# KiCad board A64-OlinuXino_Rev_G.kicad_pcb (continued)
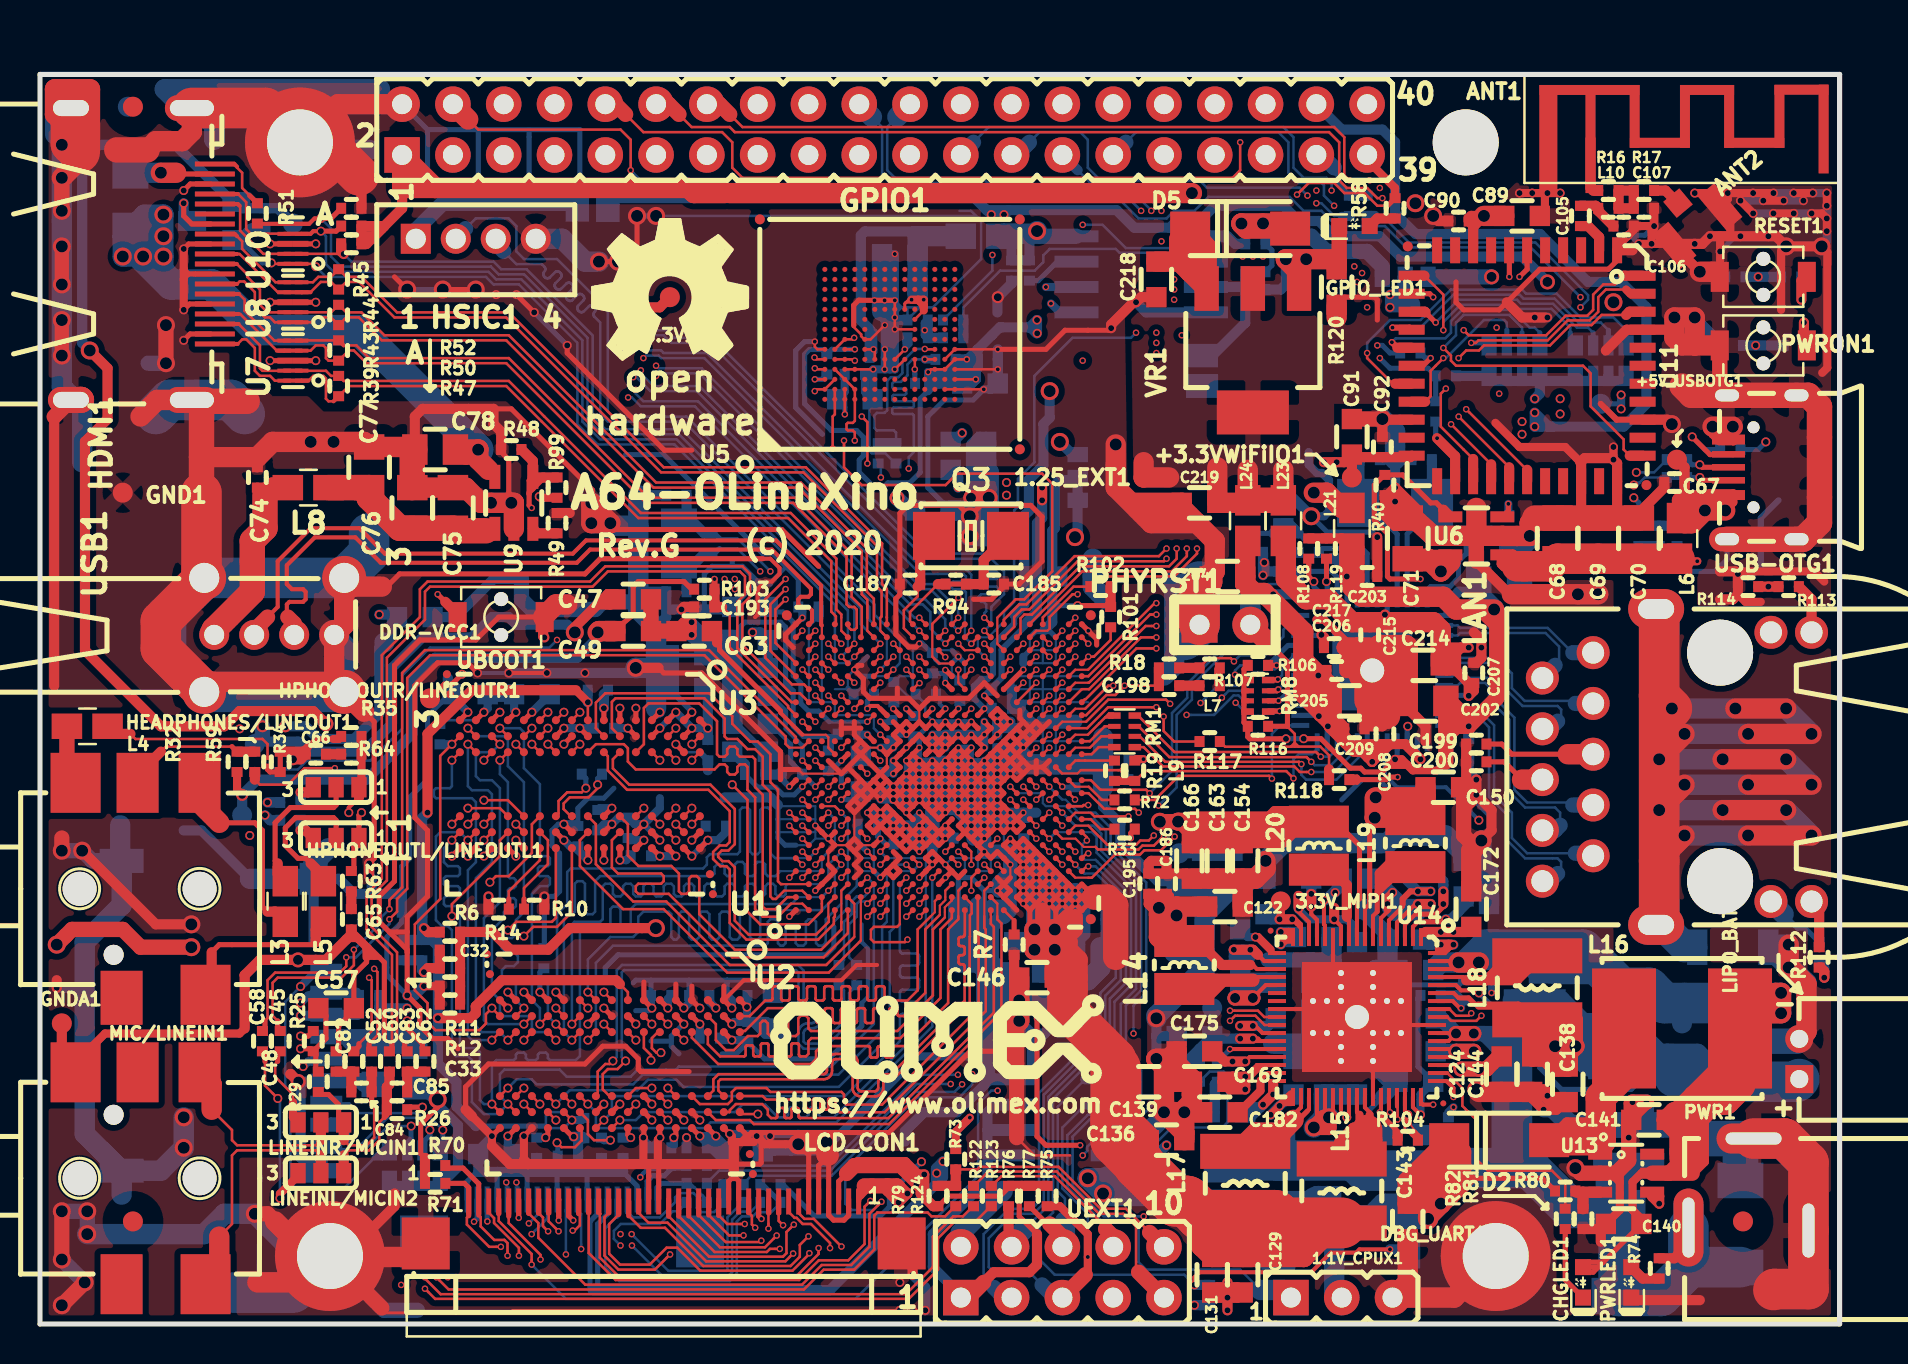
[diagram p0: board, top side]
## Routing (per net, layer and track width the routed paths; a pad name or vN(x,y) marks a point on that pad's centre or on a via; arc(x,y) is an arc through that point) (continued)
+3.3VD: length 183.2
  Top w0.203: 62.56,19.61 62.66,19.51 U14.17
  Top w0.254: U1.M16 v4(45.28,30.78)
  Top w0.406: 62.56,19.61 v3(62.05,19.61) v3(62.05,18.99) 62.29,19.23 62.56,19.23
  Top w0.508: v1(14.3,30.02) 13.67,30.66 9.98,30.66 9.22,29.9 6.05,29.9 2.25,33.69 2.25,44.13 3.38,45.26 3.38,47.8 v2(2.49,48.69)
  In3.Cu w0.508: v1(14.3,30.02) 13.79,29.52 13.79,26.34 11.82,24.37 11.82,12.18 12.52,11.48 12.52,10.4 13.94,8.99 16.96,8.99 21.55,4.4 23.8,4.4 24.4,3.8 25.22,3.8 26.06,2.96 40.82,2.96 44.82,6.96 48.26,6.96 53.67,12.37 57.86,12.37 58.88,13.39 58.88,16.56 59.51,17.2 60.26,17.2 v3(62.05,18.99) v3(62.05,19.61)
  In4.Cu w0.107: 40.4,31.75 39.22,31.75 39.1,31.62 39.1,31.1 40.4,31.1 40.4,30.58 40.28,30.45 39.1,30.45
  In4.Cu w0.203: 39.1,30.45 38.78,30.78
  In4.Cu w0.254: 40.4,31.75 40.72,31.42 ; 40.72,31.42 40.72,31.43 ; 40.72,31.42 44.62,31.42 v4(45.28,30.78) ; 40.72,31.42 40.4,31.1 ; 39.1,31.1 38.78,30.78
  In4.Cu w0.406: 38.78,30.78 38.45,30.78 38.4,30.83
  In4.Cu w0.508: 38.4,30.83 37.5,30.83 33.35,34.98 33.35,35.48 32.46,36.37 25.09,36.37 24.08,35.36 22.68,35.36 21.41,34.09 18.49,34.09 17.22,32.82 17.22,31.17 16.08,30.02 v1(14.3,30.02)
  Bottom w0.203: C79.2 45,31.31 45,31 45.22,30.78 v4(45.28,30.78)
  Bottom w0.406: C161.2 62.56,19.61
  Bottom w0.508: 62.56,19.61 v3(62.05,19.61) v3(62.05,18.99) 62.42,19.36 C161.2 ; v2(2.49,48.69) 2.11,49.07 2.11,58.34 2.74,58.98 6.76,58.98 9.62,56.12 FET1.1 10.13,55.8 R46.1 11.89,55.8 +3.3VD1.1
+3.3VWiFiIO: length 103.1
  Top w0.203: U14.13 64.26,19.94 64.21,19.99 v3(64.21,21.2)
  Top w0.254: U1.T17 v4(47.22,31.42)
  Top w0.508: v3(64.21,43.1) 65.23,43.1 C91.2 ; U11.22 68.52,43.36 C92.2 65.74,43.36 C91.2 ; +3.3VWiFiIO1.1 C91.2 ; v3(50.11,41.2) v3(50.11,41.83)
  In2.Cu w0.508: v3(64.77,21.58) 64.59,21.58 v3(64.21,21.2) ; 50.81,41.83 v3(50.11,41.83) v3(50.11,41.2) 50.75,41.83 50.81,41.83 ; 50.81,41.83 55.96,41.83 57.23,43.1 v3(64.21,43.1) 70.45,43.1 72.36,45.01 73.12,45.01 74.39,46.28 v3(74.75,46.28) 75.01,46.28 75.39,45.9 75.39,43.23 ; v3(64.21,21.2) 64.21,26.47 64.59,26.85 64.59,24.5 ; v3(64.21,21.2) 64.21,21.45 64.53,21.77 64.59,21.77
  In2.Cu w0.762: 66.24,30.53 65.26,31.52 65.26,33.61 66.37,34.72 66.37,35.74 67.77,37.13 67.77,38.02 69.67,39.93 71.2,39.93 73.1,41.83 73.99,41.83 75.39,43.23
  In2.Cu w1.016: 64.59,21.77 64.59,26.47 65.73,27.61 65.73,28.49 66.24,29.01 66.24,30.53
  Bottom w0.305: v4(47.22,31.42) 47.5,31.7 C110.2 47.59,31.82 48.09,32.32 48.09,33.73 49.35,34.99 49.35,35.1
  Bottom w0.508: 73.35,47.17 74.94,47.17 75.01,47.23 RM12.1.1 75.01,46.53 v3(74.75,46.28) ; 73.35,47.17 72.47,47.17 RM12.4.1 R61.2 ; 73.35,47.17 RM12.3.1 ; RM9.1.1 79.32,47.17 78.44,47.17 ; v3(50.11,41.83) 50.11,40.31 49.86,40.06 49.86,35.61 49.35,35.1 ; v3(64.21,21.2) 64.27,21.2 65.16,22.09 ; 65.1,22.21 C165.2 65.1,21.91 v3(64.77,21.58) ; 75.01,47.17 77.67,47.17 RM9.3.1 ; 77.74,47.17 78.44,47.17 ; 78.44,47.17 RM9.2.1
  vias: v3(64.85,43.1)
+3V3: length 378.4
  Top w0.203: U14.20 60.86,17.75 60.66,17.96 60.53,17.96
  Top w0.254: v4(47.88,30.12) 47.55,30.45 47.88,30.78 U1.U16 ; v4(47.88,30.12) U1.U15 ; v4(47.88,30.12) U1.U16 ; 40.35,7.54 39.94,7.13 39.94,6.23 ; 30.3,50.72 v3(30.3,50.85) ; R79.1 44.93,5.89 45.44,6.4 48.01,6.4 48.44,6.83 R76.1 ; U1.U15 v4(47.88,29.47) U1.T14 ; U1.U15 v4(48.53,30.12) U1.U16 ; v4(45.28,32.06) 45.29,32.06 U1.N18 ; 44.22,7.37 44.15,7.44 ; 49.86,4.5 48.97,5.39 48.97,6.78 49.1,6.91 ; v4(45.28,32.71) 45.29,32.71 U1.N19 ; 19.25,8.31 19.04,8.52 19.04,10 19.89,10.85 v2(19.89,11.23) ; U1.L16 v4(44.62,30.78)
  Top w0.406: 43.64,7.42 44.17,7.42 44.22,7.37 43.89,7.04 ; 44.22,6.35 44.22,6.58 ; R99.1 25.03,41.33 v3(24.97,41.39)
  Top w0.508: 49.86,4.5 49.86,2.97 49.48,2.59 47.7,2.59 47.19,2.08 ; 55.83,21.51 C186.2 56.46,21.39 56.46,20.5 56.84,20.5 ; 55.83,21.51 55.96,21.39 55.96,20.5 55.45,21.01 C195.2 55.83,21.51 ; 71.67,54.95 71.74,54.95 v2(72.21,55.42) 71.58,55.42 71.45,55.3 C90.2 71.67,54.95 ; 71.67,54.95 U11.9 ; 60.53,17.96 59.1,17.96 57.9,19.16 L14.2 ; 3.3V1.1 30.99,50.85 v3(30.3,50.85) ; 19.25,8.31 R70.2 R71.2 ; 43.89,7.04 44.04,6.89 44.04,6.52 44.28,6.29 ; R79.1 44.68,5.89 44.28,6.29 ; 44.28,6.29 44.22,6.35 v3(44.22,7.48) 43.57,7.48 43.13,7.92 43.13,7.67 v3(43.83,6.97) 44.22,6.58 ; 48.41,6.91 R75.1 ; 44.11,7.26 43.28,8.1 40.9,8.1 40.73,7.92 ; U13.4 80.62,6.37 v3(80.97,6.02) 80.97,6.4 80.78,6.59 U13.4
  Top w0.762: 47.19,2.08 46.43,1.32 UEXT1.1 ; 43.64,7.42 43.13,7.92 40.73,7.92 40.34,7.53 ; v2(0.84,18.97) 1.6,19.74 4.14,19.74 5.03,18.85 v2(7.57,18.85)
  Top w1.016: 56.84,20.88 56.46,20.5 ; 56.84,20.88 C122.2 ; 56.84,20.88 56.84,20.87 56.84,20.5 ; 60.34,54.78 60.08,55.04 ; v2(55.96,20.82) 55.96,19.36 56.15,19.16 L14.2 56.84,19.54 56.84,20.5 ; L21.2 65.1,40.82 64.34,41.58 v2(63.7,41.58) ; 55.96,20.5 56.84,20.5 ; C89.2 v2(72.21,55.42) ; 60.08,55.05 v2(61.16,55.05) 62.26,55.05 D5.2 60.34,54.79 v2(60.08,55.04)
  In4.Cu w0.107: 44.95,30.45 45.6,30.45 ; 44.95,30.45 44.95,29.8 ; 44.95,30.45 v4(44.62,30.78) U1.L16 44.3,29.8 44.95,29.8 ; 45.6,30.45 46.25,30.45 ; 45.6,30.45 45.6,29.8 ; 45.6,30.45 45.6,31.1 ; 46.9,30.45 47.55,30.45 ; 46.9,30.45 46.25,30.45 ; 46.9,30.45 46.9,29.8 ; 46.9,30.45 46.9,31.1 47.55,31.1 ; 46.25,30.45 46.25,29.8 ; 46.25,30.45 46.25,31.1 ; 45.6,29.8 46.25,29.8 ; 45.6,29.8 44.95,29.8 ; 46.25,29.8 46.9,29.8 ; 46.9,29.8 47.55,29.8 ; 46.25,32.08 46.25,35.97 ; 46.25,32.08 46.9,32.08 46.9,32.4 ; 46.25,32.08 46.24,32.06 v4(45.28,32.06) ; 46.9,32.4 46.9,35.97 ; 46.9,32.4 52.1,32.4 ; 48.85,31.1 49.5,31.1 ; 48.85,31.1 48.85,34.67 ; 48.85,31.1 48.53,30.78 ; 49.5,31.1 50.15,31.1 ; 49.5,31.1 49.5,33.87 49.5,33.87 49.5,34.67 49.5,34.67 ; 50.15,31.1 50.8,31.1 ; 50.15,31.1 50.15,35 ; 50.8,31.1 51.45,31.1 ; 50.8,31.1 50.8,35 ; 51.45,31.1 51.78,31.1 52.1,31.42 52.1,31.75 ; 51.45,31.1 51.45,35 ; 52.1,31.75 52.1,32.4 ; 52.1,31.75 47.88,31.75 ; 52.1,32.4 52.1,35 ; 43.65,32.4 40.4,32.4 ; 43.65,32.4 43.65,32.39 43.01,31.75 43,31.75 ; 43.65,32.4 43.65,33.7 ; 43.65,32.4 44.94,32.4 45.11,32.23 ; 40.4,32.4 39.75,32.4 ; 40.4,32.4 40.4,34.35 ; 38.12,34.03 38.45,33.7 52.75,33.7 ; 42.35,31.75 41.38,31.75 ; 42.35,31.75 43,31.75 ; 42.35,31.75 42.35,34.35 ; 43,31.75 43,34.67 ; 42.35,34.35 42.35,34.67 ; 42.35,34.35 45.12,34.35 45.12,34.35 45.43,34.35 45.43,34.35 52.75,34.35 ; 39.75,32.4 39.1,32.4 ; 39.75,32.4 39.75,34.35 ; 39.1,32.4 37.8,32.4 ; 39.1,32.4 39.1,34.35 38.45,34.35 38.45,35 37.8,35 ; 37.8,33.05 37.8,33.05 38.28,33.05 38.28,33.05 44.62,33.05 44.64,33.03 45.43,33.03 45.44,33.05 52.75,33.05 ; 45.6,35.65 45.59,35.64 45.59,34.52 45.6,34.51 45.6,33.04 v4(45.28,32.71)
  In4.Cu w0.254: 44.22,7.37 43.89,7.04 ; 2.74,50.47 3.25,49.96 3.25,45.52 0.84,43.1 0.84,26.72 3.5,24.05 3.5,21.01 2.74,20.24 2.11,20.24 v2(0.84,18.97) ; v4(47.88,29.47) 47.55,29.8 v4(47.88,30.12) v4(47.88,29.47) ; v4(47.88,29.47) U1.U15 v4(48.53,30.12) 48.53,30.78 ; 44.62,32.72 44.62,32.72 45.11,32.23 45.11,32.23 v4(45.28,32.06)
  In4.Cu w0.406: 24.97,41.96 v3(24.97,41.39)
  In4.Cu w0.508: 58.12,3.1 57.35,3.1 56.85,2.59 47.32,2.59 47.32,4.75 47.7,5.13 54.31,5.13 ; 16.46,11.61 16.46,14.21 18.04,15.79 v3(18.36,15.79)
  In4.Cu w0.711: 44.62,32.72 44.62,35.88
  In4.Cu w0.762: v2(7.57,18.85) 10.62,15.8 10.62,11.35 11.51,10.47 15.32,10.47 16.46,11.61 19.63,11.61 19.89,11.35 v2(19.89,11.23) ; 44.62,35.88 44.62,39.55 v1(42.86,41.31) ; 56.84,20.5 56.84,20.5 ; 0.84,17.96 v2(0.84,18.97)
  In4.Cu w1.016: UEXT1.1 47.32,2.59 ; 62.69,22.66 60.46,20.43 v2(56.84,20.43) 56.34,20.43 v2(55.96,20.82)
  In4.Cu w1.524: 62.69,22.66 63.07,23.04 67.26,23.04 68.66,24.44
  Bottom w0.254: v3(86.31,44.12) 85.93,43.74 R37.2 ; R56.2 61.61,52.95 61.61,53.71 R53.2 ; 45.28,32.54 v4(45.28,32.06) ; 45.28,32.54 v4(45.28,32.71) ; 45.28,32.54 C73.2
  Bottom w0.508: v4(47.88,29.47) 47.88,29.78 C80.1 ; v2(61.16,55.05) 61.29,54.92 R53.2 ; 18.36,6.91 17.47,6.91 RM7.4.1 ; 18.36,6.91 19.13,6.91 ; 18.36,6.91 RM7.3.1 ; UEXT1.1 46.05,1.45 44.65,2.84 44.65,4.5 47.38,7.23 47.38,8.43 ; 55.96,8.56 C39.1 55.32,8.43 ; 55.96,8.56 55.83,8.43 55.32,8.43 ; 55.96,8.56 v3(56.34,8.94) ; v3(57.73,0.94) R95.2 ; U4.8 55.32,8.43 ; C80.1 47.88,29.83 v4(47.88,30.12) v4(48.53,30.12) ; C80.1 C115.2 ; 19.13,6.91 RM7.2.1 ; 19.13,6.91 19.76,6.91 RM7.1.1 20.21,7.16 20.9,7.86 20.9,9.93 19.89,10.95 v2(19.89,11.23) ; U4.3 47.76,10.97 47.38,10.59 47.38,9.7 ; 3.3V/VCC-PE:2.8V1.3 51.64,43.48 v2(51,44.12) ; v3(18.36,15.79) 16.97,15.79 R31.2 R30.2 ; 47.38,9.7 U4.2 ; 47.38,9.7 47.38,8.43 ; U4.1 47.38,8.43 ; C81.2 48.59,54.53 49.73,54.53 49.86,54.66 v2(49.86,54.67) 49.48,54.29 R57.2 C81.2
  Bottom w0.762: L2.1 19.13,11.99 v2(19.89,11.23) ; 67.13,52.88 66.37,53.65 64.34,53.65 63.58,54.41 62.56,54.41 61.92,55.05 v2(61.16,55.05) 60.28,55.05 60.27,55.04 ; U12.8 49.97,54.41 49.86,54.52 v2(49.86,54.67) ; PWR_PC1.1 67.13,52.63 ; C116.2 43.48,40.69 v1(42.86,41.31)
  Bottom w1.016: L1.1 48.21,54.53 49.73,54.53 49.86,54.66
+5V: length 338.2
  Top w0.254: 41.1,6.4 40.94,6.25 LCD_CON1.1 ; 41.1,6.4 41.1,6.78 41.22,6.91 40.94,6.63 40.94,6.23 ; 41.1,6.4 41.6,6.91
  Top w0.406: v3(42.94,6.08) 43.16,6.31 ; 43.16,6.31 43.38,6.53 ; 43.16,6.31 43.32,6.46
  Top w0.508: 22.43,42.72 22.75,42.4 U9.5 ; C78.1 21.28,43.23 21.92,43.23 ; 69.42,38.28 69.61,38.47 70.53,38.47 70.53,38.12 ; 69.8,37.9 68.78,37.9 C71.1 ; 17.19,54.91 17.22,54.91 18.11,55.8 18.11,56.82 ; 17.19,54.91 17.19,54.88 17.09,54.79 ; 17.19,54.91 R50.1 16.08,54.41 ; 16.08,54.41 16.71,54.41 17.09,54.79 ; 16.08,54.41 R47.1 16.33,54.03 17.09,54.79 ; v3(43.38,6.53) 43,6.91 42.37,6.91 42.37,6.65 v3(42.94,6.08) v3(43.38,6.53)
  Top w0.762: 34.49,56.57 34.37,56.69 34.24,56.57 ; 42.37,6.91 42.88,6.4 ; 42.37,6.91 41.22,6.91 ; 42.37,6.91 42.84,6.91 42.92,6.83
  Top w1.016: 21.92,43.74 21.9,43.74 v2(21.91,43.73) ; 21.92,43.74 21.92,43.23 22.43,42.72 ; 21.92,43.74 C78.1 ; v2(57.61,56.57) 34.49,56.57 ; 19.76,56.82 32.46,56.82 32.71,56.57 34.24,56.57 ; 19.76,56.82 GPIO1.1 18.11,56.82 19.76,56.82 ; C71.1 69.42,38.28 70.05,37.64 v2(70.06,37.64) 70.53,38.12 70.53,38.12
  In2.Cu w1.016: v2(57.61,56.57) 61.67,56.57 63.07,55.17 64.34,55.17 65.61,53.9 75.9,53.9 v2(78.69,51.1) ; v2(4.14,53.39) v2(6.17,53.39) ; v2(4.14,53.39) 4.14,54.41 5.22,55.49 v2(6.17,55.49) ; v2(4.14,53.39) 4.14,53.45 v2(6.17,55.49) ; 6.55,51.99 6.17,52.38 v2(6.17,55.49) ; v2(5.16,53.39) v2(6.17,54.41)
  In2.Cu w1.524: v2(5.16,53.39) 6.55,51.99 8.58,51.99 10.87,49.71 14.49,49.71 16.59,51.8 16.59,56.06 18.11,57.58 GPIO1.1
  In3.Cu w1.016: v2(70.06,37.64) 71.2,38.79 72.34,38.79 78.18,44.63 78.18,47.17 78.69,47.68 v2(78.69,51.1)
  In4.Cu w0.508: 43.32,4.31 42.94,4.69 v3(42.94,6.08) ; v3(42.94,6.08) 43.5,5.52 44.54,5.52 44.26,5.52 43.32,6.46 v3(42.94,6.08) ; v3(42.94,6.08) v3(43.38,6.53) 43.61,6.3 45.53,6.3 46.01,6.78 ; v3(42.94,6.08) 43.32,6.08 44.21,5.19
  In4.Cu w0.762: v2(6.17,53.39) 6.05,53.52 4.52,53.52
  In4.Cu w1.016: 4.52,54.79 5.79,54.79 v2(6.17,54.41) 4.52,54.41 ; v2(52.4,7.29) 51.89,6.78 51.64,6.78 ; v2(6.17,53.39) 4.65,51.87 4.65,51.36 ; v2(6.17,53.39) v2(6.17,55.49) 5.22,55.49 4.14,54.41 v2(4.14,53.39) v2(6.17,53.39)
  In4.Cu w1.27: v2(53.16,6.53) 51.89,6.53 51.64,6.78
  In4.Cu w2.032: 53.03,6.78 46.01,6.78 44.76,5.52 44.54,5.52 43.32,4.31 43.23,4.31 40.37,1.45 23.47,1.45 16.49,8.43 11.12,8.43 8.84,10.72 8.84,15.04 5.54,18.34 5.54,24.56 2.74,27.36 2.74,42.72 4.65,44.63 4.65,53.39
  Bottom w0.508: 64.59,5.64 64.38,5.85 FET2.3
  Bottom w1.016: 4.52,54.79 4.52,54.78 ; 4.52,54.78 5.22,55.49 v2(6.17,55.49) ; 4.52,54.78 4.52,53.52 5.54,53.52 ; 57.35,5.89 57.35,6.15 57.1,6.15 5V_E1.2 ; 59.89,5.26 59.89,3.99 ; 59.89,5.26 63.19,5.26 63.26,5.19 ; 59.89,5.26 5V_E1.2 ; v2(6.17,55.49) 5.09,54.41 4.14,54.41 v2(4.14,53.39) v2(6.17,53.39) ; v2(6.17,55.49) v2(6.17,53.39) ; v2(52.4,7.29) 53.04,7.29 53.29,7.04 53.29,6.91 ; v2(52.4,7.29) v2(53.16,6.53) 53.54,6.91 53.16,7.29 v2(52.4,7.29) ; v2(6.17,53.39) 6.17,52.38 6.55,51.99 ; FET2.3 64.12,6.15 5V_E1.2 ; 64.38,6.31 63.96,5.89 ; v2(5.16,53.39) v2(6.17,54.41)
  Bottom w1.524: 8.58,51.99 8.71,51.87 ; 8.58,51.99 6.55,51.99 v2(5.16,53.39) ; 8.58,51.99 10.87,49.71 15.95,49.71 21.91,43.75 v2(21.91,43.73)
  Bottom w2.032: 53.54,6.91 56.34,6.91 59.26,3.99 61.58,3.99 D3.1 61.93,3.86 63.96,5.89
+5V_EXT: length 60.4
  Top w0.203: U14.58 70.79,14.55 v1(70.81,14.53) 70.44,14.15 U14.57
  Top w0.508: R74.1 81.74,3.29 82.44,3.99 PWR1.+ 82.44,3.74
  Top w0.762: v1(70.81,14.53) v1(71.7,14.53)
  Bottom w0.762: v1(71.7,14.53) 73.61,14.53 73.61,13.89 72.85,13.89 72.21,14.53 v1(71.7,14.53) ; v1(71.7,14.53) v1(70.81,14.53) 70.05,15.29 C121.1
  Bottom w1.016: 5V_E1.1 59,7.8 59.38,8.18 ; 66.56,7.35 66.24,7.67 FET2.1 66.56,7.35
  Bottom w1.27: C118.2 C119.2 78.82,7.54
  Bottom w2.032: 74.5,7.8 76.49,5.81 FUSE2.1 ; 74.5,7.8 73.61,8.69 73.61,13.89 ; 74.5,7.8 71.2,7.8 71.07,7.67 66.24,7.67 65.74,8.18 61.93,8.18 ; 78.82,7.54 78.82,5.93 FUSE2.1 ; FUSE2.1 FUSE2.2 81.06,1.41 82.44,2.79 ; 82.44,2.79 82.44,3.08 ; 82.44,2.79 PWR1.+ ; 61.93,8.18 59.38,8.18 ; 61.93,8.18 D3.2 ; 85.04,2.84 82.57,2.84
+5V_USBOTG: length 63.6
  Top w0.203: v1(71.07,12.75) 70.87,12.95 U14.54
  Top w0.406: v2(84.28,40.69) 84.68,41.1 84.68,41.33 ; 83.26,41.33 83.49,41.55 84.68,41.55 84.68,41.33 ; 83.26,41.33 v2(83.26,40.69) ; 83.26,41.33 84.68,41.33
  Top w0.508: 81.99,41.2 82.25,41.45 C67.1 82.25,42.85 +5V_USBOTG1.1
  Top w0.762: v1(71.07,12.75) v1(71.96,12.75) 72.34,12.75 72.97,13.39 C124.1 ; 83.26,41.33 82.12,41.33 81.99,41.2 L6.2
  Top w1.016: v2(83.26,40.69) 82.37,40.69 L6.2 82.25,40.06 82.63,40.06 v2(83.26,40.69) ; v2(83.26,40.69) v2(84.28,40.69)
  In2.Cu w0.762: 72.34,12.75 73.99,12.75 73.99,13.39 ; 72.34,12.75 72.59,12.75 v1(71.96,12.75) v1(71.07,12.75) ; 72.34,12.75 72.34,13 73.99,14.66
  In2.Cu w1.016: v2(84.28,40.69) v2(83.26,40.69) 82.5,40.69 81.99,40.18
  In2.Cu w2.032: 73.99,13.39 73.99,18.53 71.7,20.82 71.7,22.28 70.43,23.55 70.43,28.88 69.93,29.39 69.93,35.23 72.09,37.39 75.39,37.39 76.91,38.91 80.72,38.91 81.99,40.18
/Power Supply, Extensions and MiPi-DSI/1.8V_DVDD-CSI: length 68.3
  Top w0.203: 69.29,19.61 69.06,19.38 U14.1
  Top w0.508: 69.29,19.61 v3(70.05,19.61) 71.32,19.61 C172.2
  In2.Cu w0.508: v2(68.78,56.06) 67.77,57.07 67.77,59.11 67.13,59.74 63.07,59.74 61.8,61.01 GPIO1.36
  In3.Cu w0.508: v3(70.05,19.61) v3(70.69,19.61) 70.94,19.86 70.94,29.52 70.69,29.77 70.69,34.98 72.34,36.63 74.88,36.63 77.99,39.74 80.4,39.74 81.17,40.5 81.17,43.48 80.59,44.06 80.59,51.55 79.32,52.82 78.5,52.82 77.99,53.33 71.32,53.33 70.56,54.09 69.29,54.09 68.78,54.6 v2(68.78,56.06)
/Power Supply, Extensions and MiPi-DSI/2.8V_AVDD-CSI: length 70.6
  Top w0.203: v3(63.58,20.88) 63.58,20.5 63.86,20.21 U14.14
  Top w0.508: v3(63.58,20.88) v3(63.58,21.51)
  In2.Cu w0.508: v3(74.75,45.58) v3(74.75,44.88) 74.75,43.68 73.67,42.6 72.78,42.6 70.88,40.69 69.35,40.69 66.97,38.31 66.97,37.42 65.61,36.06 65.61,35.1 64.51,34.01 64.51,30.99 65.23,30.28 65.23,29.52 64.86,29.15 64.86,28.07 63.58,26.78 v3(63.58,20.88)
  Bottom w0.508: 75.64,44.88 79.2,44.88 80.34,46.02 80.34,50.85 79.07,52.12 77.42,52.12 75.02,54.52 68.8,54.52 67.77,55.55 67.77,59.11 67.13,59.74 65.1,59.74 GPIO1.38 ; 75.64,44.88 75.45,44.88 v3(74.75,45.58) v3(74.75,44.88) 75.64,44.88 ; v3(63.58,20.88) C164.2
/Power Supply, Extensions and MiPi-DSI/3.3V_MIPI: length 67.4
  Top w0.203: 63.06,19.81 v3(62.62,20.24) 62.81,20.24 63.06,20 63.06,19.81 ; 63.06,19.81 U14.16
  Top w0.406: 62.05,20.24 3.3V_MIPI1.1
  Top w0.508: v3(62.62,20.24) v3(61.99,20.24)
  In3.Cu w0.406: 44.84,7.81 46,7.81 46.05,7.86 ; 44.84,7.81 v3(44.84,7.54) 47.96,7.54 48.4,7.99 ; 44.84,7.81 v3(45.16,8.13) ; 61.86,20.43 61.93,20.5 62.31,20.5 62.56,20.24
  In3.Cu w0.508: 61.86,20.43 61.73,20.31 61.73,20.24 62.56,20.24
  In3.Cu w0.762: 61.73,20.37 60.15,20.37 57.48,17.7 57.48,15.52 56.23,14.28 55.45,14.28 54.81,13.64 53.8,13.64 48.02,7.86 45.29,7.86
  Bottom w0.254: MIPI-DSI1.15 28.36,5.48 27.89,5 27.89,1.77 27.83,1.7 ; 27.64,1.7 27.51,1.83 27.51,5.13 27.86,5.48 MIPI-DSI1.14
  Bottom w0.406: 62.56,20.24 v3(61.99,20.24) ; 45.1,8.13 45.03,8.06
  Bottom w0.508: C162.2 61.54,20.24 v3(61.99,20.24) ; v3(45.16,8.13) 44.81,7.77 44.81,7 39.51,1.7 27.64,1.7 ; v3(45.16,8.13) 44.84,7.81 v3(44.84,7.54) ; v3(45.16,8.13) 45.16,7.35 44.78,6.97
/USB&HDMI,WiFi&BT,Ethernet,LCD/VDD33: length 115.9
  Top w0.254: 62.3,29.26 62.3,29.27 v3(62.31,29.27) 60.5,29.27 60.4,29.37 R116.2 60.21,30.09 60.21,30.66 ; 60.21,30.66 60.21,31.17 ; 60.21,30.66 60.24,30.63 RM8.4.1 ; 60.21,31.17 60.21,31.17 RM8.3.1 ; 60.21,31.17 60.21,31.61 ; v3(63.2,29.28) 64.06,29.28 65.53,27.8 66.05,27.8 66.24,27.61 67.13,27.61 v3(67.77,28.25) ; R106.1 60.21,32.75 60.21,32.25 ; 60.21,31.61 60.21,32.21 RM8.1.1 ; 60.21,31.61 60.27,31.67 RM8.2.1
  Top w0.381: 70.15,27.97 70.31,28.12 69.88,27.69 68.66,27.69
  Top w0.406: 68.38,27.97 68.1,28.25 v3(67.77,28.25) 67.51,27.99 67.54,27.97 68.38,27.97 ; 68.38,27.97 68.66,27.69
  Top w0.508: v3(65.35,37.39) C203.2 ; v3(64.08,34.47) 64.21,34.34 64.21,33.83 ; R108.2 R119.2 65.1,39.29 L21.1 ; 71.01,29.9 70.31,29.2 70.31,28.12 70.31,29.83 ; 71.45,30.53 v3(71.45,29.9)
  Top w0.762: 72.09,30.53 72.85,31.29 72.85,34.98 ; 72.09,30.53 70.94,30.53 ; 72.09,30.53 v3(71.45,29.9) ; v2(72.72,35.74) 72.85,35.61 72.85,34.98 ; 72.85,34.98 72.85,34.98 72.09,35.74 72.09,35.74 ; 70.81,29.9 v3(71.45,29.9) ; v3(71.45,29.9) 70.37,29.9 70.31,29.83 C202.1 70.31,28.12
  Top w1.016: 70.94,30.53 C202.1 ; v2(72.72,35.74) 70.81,35.74 70.18,36.37 66.12,36.37 65.61,36.88 65.61,37.26
  Top w1.27: L21.1 65.61,37.26 65.61,37.39
  In2.Cu w0.508: v3(64.08,34.47) 64.97,35.36 64.97,36.31 65.35,36.69 v3(65.35,37.39)
  In3.Cu w0.254: v2(72.72,35.74) 73.1,36.12 75.26,36.12 76.78,37.64 83.01,37.64 84.66,35.99 85.93,35.99 86.44,35.48 ; 85.67,19.86 83.51,17.7 75.01,17.7 72.97,19.74 72.97,28.37 v3(71.45,29.9)
  In3.Cu w0.762: 85.67,19.86 86.56,20.75 86.56,21.13
  In3.Cu w1.016: 86.44,35.48 86.44,34.72 LAN1.11
  Bottom w0.254: v3(71.45,29.9) 71.41,29.94 U15.12 ; 70.43,35.61 70.26,35.44 U15.1 72.42,35.44 v2(72.72,35.74) ; U15.40 65.37,37.37 v3(65.35,37.39) 65.35,37.52 64.72,38.15 R110.1 ; v3(64.08,34.47) 64.06,34.44 U15.34 ; v3(67.77,28.25) 67.87,28.35 U15.16 ; v3(63.2,29.28) 62.32,29.28 v3(62.31,29.27) ; 87.2,20.5 87.9,19.8 88.28,19.8 R111.1
  Bottom w0.508: 70.43,35.61 70.43,36.12 70.94,36.63 71.45,36.63 C201.1 ; C216.2 v3(71.45,29.9)
  Bottom w1.016: 86.56,21.13 87.2,20.5 ; C201.1 71.96,35.74 v2(72.72,35.74) 71.96,36.5 C201.1
GND: length 3582.6
  Top w0.107: 37.92,27.74 38.13,27.53 40.07,27.53 ; 40.72,25.58 40.72,24.28 ; v4(48.53,22.97) 48.53,22.33 ; U1.G6 41.05,23.95 ; 43.97,30.12 43.97,30.78 ; 39.75,23.95 40.4,23.95 ; U1.H13 42.35,27.85 ; v4(42.03,28.83) 41.38,28.83 ; 39.43,22.97 39.43,23.62
  Top w0.127: U5.C4 41.75,47.75 ; U5.K8 v4(42.75,49.75) U5.H10 v4(42.75,51.2) ; v4(42.75,47.75) 42.75,47.75 U5.J5 ; 23.51,0.56 23.63,0.69 v3(44.27,0.69) 44.15,0.56 17.34,0.56 17.09,0.81 ; v4(38.75,49.14) 38.75,48.88 38.88,48.75 U5.A6 ; U5.N2 v4(47.2,46.75) ; U5.N5 U5.P6 v4(47.9,48.75) ; 48.84,9.32 49.73,8.43 51.51,8.43 ; v4(42.24,47.75) 42.25,47.76 U5.G5 v4(42.25,48.75) ; 40.69,49.94 40.69,49.87 41.06,49.5 41.06,49.41 41.22,49.25 U5.E7 41.54,49.25 v4(42.25,49.96) ; U5.P4 v4(47.9,47.75)
  Top w0.203: U14.69 66.26,14.95 U14.59 ; U14.69 64.66,16.55 U14.12 ; U14.69 U14.69 U14.45 ; U14.69 65.46,15.75 U14.25 ; v3(25.35,32.56) v3(23.44,32.56) ; 36.14,37.01 36.27,37.13 36.6,37.13 36.98,37.52 36.98,37.82 36.53,38.28 36.14,38.28 ; 36.14,37.01 35.89,36.75 35.89,35.48 35.76,35.36 ; 36.14,37.01 36.02,37.13 ; 7.19,52.25 7.46,52.52 7.71,52.52 ; 41.86,17.96 40.84,17.96 40.08,17.2 35.2,17.2 U2.B1
  Top w0.254: v6(47.22,26.88) U1.T10 ; v6(47.22,26.88) U1.R11 ; v6(47.22,26.88) U1.R10 ; v6(47.22,26.88) U1.T11 ; U1.T10 v6(47.88,26.22) ; U1.T10 v6(47.22,26.22) ; U1.T10 v6(47.88,26.88) ; v6(43.97,27.53) U1.K11 ; v6(43.97,27.53) U1.L11 ; v6(43.97,27.53) U1.K12 ; v6(43.97,27.53) U1.L12 ; U1.K11 v6(43.32,26.88) ; U1.K11 v6(43.97,26.88) ; U1.K11 v4(43.32,27.53) ; v4(48.53,25.58) U1.U8 ; v4(48.53,25.58) U1.U9 ; v4(48.53,25.58) U1.V8 ; U1.U8 v6(47.88,25.58) ; U1.U8 47.55,24.6 ; U1.U8 v4(48.53,24.92) ; v6(43.32,26.88) U1.K10 ; v6(43.32,26.88) U1.J11 ; v6(43.32,26.88) U1.J10 ; U1.K10 v6(43.97,26.88) ; U1.K10 v6(43.32,26.22) ; U1.K10 v6(43.97,26.22) ; v3(7.19,53.77) 7.43,54.02 8.55,54.02 ; v3(7.19,50.72) 7.48,51.02 8.55,51.02 ; v3(7.19,49.2) 7.51,49.52 8.55,49.52 ; v3(7.19,56.69) 7.51,57.02 8.55,57.02 ; 40.4,27.85 41.05,28.5 ; 40.4,27.85 41.05,27.2 ; 40.4,27.85 40.07,27.53 39.43,28.17 ; 41.05,28.5 41.38,28.83 41.05,29.15 ; 41.05,28.5 42.03,27.53 ; 41.05,28.5 40.72,28.83 41.05,29.15 ; 41.38,26.22 41.05,26.55 ; 41.38,26.22 41.05,25.9 ; 41.38,26.22 41.7,26.55 ; 41.05,26.55 41.38,26.88 ; 41.05,26.55 40.72,26.22 ; 41.05,26.55 40.72,26.88 41.05,27.2 ; 41.38,26.88 U1.G11 ; 41.38,26.88 41.7,26.55 ; 41.38,26.88 41.05,27.2 ; 41.05,25.9 40.72,26.22 ; 41.05,25.9 40.72,25.58 40.4,25.9 40.72,26.22 ; 41.05,29.15 40.72,29.47 40.72,29.8 ; 40.72,29.8 40.72,30.12 ; 40.72,29.8 41.05,29.8 ; 40.72,29.8 40.07,29.8 ; 44.4,31.2 44.3,31.1 ; 44.4,31.2 44.49,31.29 44.78,31.29 ; 44.4,31.2 43.97,30.78 43.46,31.29 42.88,31.29 ; 44.78,31.29 46.44,31.29 47.22,32.08 47.88,31.42 ; 44.78,31.29 44.78,31.8 ; 46.57,24.28 U1.R7 ; 46.57,24.28 U1.R6 ; 46.57,24.28 U1.P7 ; U1.R7 v6(46.57,24.92) ; U1.R7 v4(47.22,24.28) ; U1.R7 v6(47.22,24.92) ; 48.53,28.17 48.85,28.5 ; 48.53,28.17 48.85,27.85 ; 48.53,28.17 U1.U12 ; 48.53,28.17 48.2,28.5 ; 48.85,28.5 v4(49.18,28.83) ; 48.85,28.5 49.18,28.17 ; 48.85,28.5 48.53,28.83 ; 48.85,27.85 v4(48.53,27.53) ; 48.85,27.85 49.18,27.53 ; 48.85,27.85 49.18,28.17 ; v4(48.53,27.53) 48.85,27.2 49.18,27.53 ; v4(48.53,27.53) U1.U12 ; v4(48.53,27.53) U1.U11 ; 48.2,28.5 v4(47.88,28.17) ; 48.2,28.5 47.88,28.83 ; 48.2,28.5 48.53,28.83 ; v4(47.88,28.17) U1.T13 ; v4(47.88,28.17) U1.U12 ; v4(47.88,28.17) U1.T12 ; 47.88,28.83 48.2,29.15 ; 47.88,28.83 U1.T13 ; 48.53,29.47 U1.V14 ; 48.53,29.47 48.2,29.15 ; 48.53,29.47 48.85,29.8 ; U1.V14 v4(49.18,28.83) ; U1.V14 49.18,29.47 ; U1.V14 48.53,28.83 ; v4(49.18,28.83) 49.5,29.15 ; 48.53,28.83 48.2,29.15 ; 49.18,28.17 49.5,27.85 ; 49.5,27.85 49.18,27.53 ; 49.5,27.85 49.82,27.85 ; 49.18,29.47 49.5,29.15 ; 49.18,29.47 49.5,29.8 ; 49.18,29.47 48.85,29.8 ; 49.5,29.15 49.82,29.47 ; 48.85,29.8 49.18,30.12 ; 49.18,30.12 49.5,29.8 ; 49.18,30.12 49,30.3 49,30.7 ; 49.5,29.8 49.82,29.47 ; 49.5,29.8 49.82,30.12 50.15,29.8 ; 49.82,29.47 50.15,29.8 ; 44.62,25.58 U1.M8 v4(45.28,25.58) ; 44.62,25.58 U1.L9 ; 44.62,25.58 U1.M9 ; U1.J15 43.32,30.12 43.65,29.8 ; U1.J15 42.68,29.47 U1.J14 v4(42.68,28.83) U1.H13 v4(42.03,28.83) ; U1.J15 v4(43.32,29.47) 43.65,29.8 ; U1.J15 42.68,30.12 ; U1.G11 42.03,27.53 ; U1.G11 42.03,26.88 ; 41.7,26.55 v4(42.03,26.22) 42.35,26.55 ; 41.7,26.55 42.03,26.88 ; 42.35,27.2 v6(42.68,26.88) ; 42.35,27.2 42.03,27.53 ; 42.35,27.2 42.03,26.88 ; v6(42.68,26.88) U1.J11 ; v6(42.68,26.88) U1.J10 ; v6(42.68,26.88) 42.35,26.55 ; 42.03,27.53 42.35,27.85 ; v4(47.22,23.62) 47.55,23.3 47.88,23.62 U1.U5 v4(48.53,22.97) ; v4(47.22,23.62) U1.R5 ; v4(47.22,23.62) U1.R6 ; U1.P8 45.93,24.92 U1.P7 ; U1.P8 v6(46.57,25.58) ; U1.P8 v4(45.93,25.58) ; U1.P8 v6(46.57,24.92) ; 46.25,22.65 45.93,22.33 U1.N4 ; 42.68,22.97 43,22.65 42.68,22.33 U1.H4 ; 42.68,22.97 43,23.3 42.68,23.62 ; 42.68,22.97 U1.H4 ; v6(47.88,26.88) 48.2,26.55 v6(47.88,26.22) ; v6(47.88,26.88) U1.T11 ; v6(47.88,26.88) U1.U11 ; 49.82,27.85 50.15,27.85 ; 49.82,27.85 49.82,27.53 ; 49.82,27.85 49.82,28.17 ; 50.15,27.85 50.47,27.53 ; 50.15,27.85 50.47,28.17 ; 50.15,29.8 50.47,30.12 ; 22.68,45.77 23.57,45.77 27.64,41.71 27.64,41.07 ; 38.94,7.8 38.94,7.8 ; 38.94,7.8 38.94,6.23 ; 38.94,7.8 38.94,7.93 39.45,8.43 39.44,8.43 39.44,5.44 39.69,5.19 40.21,5.19 40.44,5.43 40.44,6.23 ; 30.94,7.4 30.94,7.42 ; 30.94,7.4 30.94,8 30.9,7.96 30.9,7.9 30.9,8 ; 30.94,7.4 30.94,6.23 ; 30.44,7.4 30.44,7.41 ; 30.44,7.4 30.44,6.23 ; 30.44,7.4 30.44,8 30.4,8 ; R48.1 23.06,43.61 23.44,43.23 23.44,41.58 23.57,41.45 v2(23.57,41.07) 23.95,40.69 ; 79.64,53.7 v3(79.96,54.03) v3(80.59,54.03) ; v3(26.36,48.95) 26.36,48.56 31.23,43.7 32.59,43.7 ; 36.14,38.28 28.02,38.28 27.25,37.52 17.98,37.52 17.35,36.88 17.09,36.88 ; v2(21.79,51.74) v2(20.14,51.74) ; v2(18.36,51.74) 17.73,52.38 ; 37.03,27.74 37.03,27.23 ; 37.03,27.74 37.92,27.74 ; 37.03,27.74 37.03,28.63 33.1,32.56 31.19,32.56 30.94,32.82 ; 44.95,23.3 v4(45.28,22.97) U1.N4 ; 44.95,23.3 44.62,23.62 U1.L5 v4(44.62,22.97) ; 44.95,23.3 v4(44.62,22.97) ; 42.88,31.29 41.51,31.29 41.18,31.62 41.18,32.27 40.72,32.73 ; 42.88,31.29 42.88,31.8 ; 40.72,32.73 v4(40.72,32.72) ; 40.72,32.73 40.93,32.94 41.1,32.94 ; 32.46,12.62 30.05,12.62 29.92,12.75 29.92,13.26 29.29,13.89 28.14,13.89 27.25,13 22.43,13 21.28,11.86 21.28,10.72 ; 16.2,30.62 16.71,30.12 16.71,23.29 v3(16.46,23.04) ; 37.67,33.83 37.29,34.21 37.29,34.49 U1.A23 v4(38.12,35.33) ; v2(47.45,41.33) 47.45,40.95 ; 47.45,40.95 47.04,40.95 v2(46.5,40.4) 45.96,40.95 43.4,40.95 43,40.55 C187.2 ; 47.45,40.95 49.54,40.95 50.11,40.37 50.11,38.15 48.97,37.01 C185.2 ; 46.69,36.25 47.57,36.25 48.21,36.88 C185.2 ; 18.36,19.61 17.47,19.61 ; 18.36,19.61 18.36,18.59 ; 18.36,19.61 18.36,20.37 19.38,21.39 19.38,24.69 18.75,25.32 18.75,31.93 19.89,33.07 21.38,33.07 v3(21.89,32.56) ; 40.07,29.8 40.07,29.47 ; 40.07,29.8 40.07,30.12 ; U1.J11 v4(43.32,27.53) ; U1.P13 v4(45.93,28.83) ; U1.P13 v4(46.57,28.17) ; U1.P13 v4(45.93,28.17) ; 48.2,22 v4(47.88,21.67) U1.U2 ; 48.2,22 48.53,21.67 U1.U2 ; 48.2,22 48.53,22.33 ; 48.2,22 47.88,22.33 ; U1.T11 v6(47.88,27.53) ; U1.T11 v6(47.22,27.53) ; v6(47.88,27.53) U1.U11 ; v6(47.88,27.53) U1.U12 ; v6(47.88,27.53) U1.T12 ; U1.L10 v6(43.97,26.88) ; U1.L10 v6(44.62,26.22) ; U1.L10 v6(44.62,26.88) ; U1.L10 v6(43.97,26.22) ; v6(43.97,26.88) U1.L11 ; 31.03,55.2 v2(30.81,55.42) ; 36.69,9.58 v3(36.51,9.4) 36.51,9.08 36.47,9.05 36.47,8.99 ; 36.69,9.58 36.02,9.58 ; 36.69,9.58 42.46,9.58 46.52,13.64 48.34,13.64 ; 40.72,23.62 40.4,23.95 40.72,24.28 41.05,23.95 40.72,23.62 ; 40.72,23.62 41.05,23.3 40.72,22.97 41.05,22.65 40.72,22.33 ; U11.1 78.87,53.19 78.44,52.76 75.01,52.76 72.97,50.72 71.2,50.72 70.81,51.1 70.81,52.12 ; 34.7,8 36,8 36.07,8.07 36.07,9.4 ; v6(47.22,27.53) U1.T12 ; v6(47.22,27.53) U1.R12 ; v6(47.22,27.53) U1.R11 ; U1.T12 v4(47.22,28.17) ; v3(30.6,15.8) U2.G1 30.2,17.1 ; v6(42.68,26.22) U1.J10 ; v6(42.68,26.22) U1.J9 ; v6(42.68,26.22) 42.35,26.55 ; U1.J10 v6(43.32,26.22) ; U1.U9 v6(47.88,25.58) ; U1.U9 v6(47.88,26.22) ; v4(45.93,28.17) U1.N13 v4(45.28,28.17) U1.M12 ; v4(45.93,28.17) U1.N12 ; U3.F9 v3(29,23.2) ; U3.D8 v3(31,24.2) ; U1.P12 v4(46.57,28.17) ; U1.P12 v6(45.93,27.53) ; U1.P12 v6(46.57,27.53) ; v4(46.57,28.17) U1.R12 ; U10.3 v3(13.79,54.03) ; U1.M9 v6(45.28,26.22) ; U1.M9 v6(44.62,26.22) ; U1.M9 v4(45.28,25.58) ; v6(45.28,26.22) U1.N9 ; v6(45.28,26.22) U1.M10 ; v6(45.28,26.22) U1.N10 ; v4(48.53,24.92) 48.85,24.6 49.18,24.92 U1.V8 ; v4(48.53,24.92) U1.V8 ; v4(48.53,24.92) U1.U7 v6(47.88,24.92) U1.T8 ; U1.N4 v4(45.28,22.33) U1.M3 ; v3(29,11) U2.J8 ; U1.M12 v6(45.28,27.53) ; U1.M12 v6(44.62,27.53) ; v6(45.28,27.53) U1.N11 ; v6(45.28,27.53) U1.N12 ; v6(45.28,27.53) U1.M11 ; U1.R11 v6(46.57,26.88) ; U1.R11 v6(46.57,27.53) ; U1.N11 v6(45.93,27.53) ; U1.N11 v6(45.28,26.88) ; U1.N11 v6(45.93,26.88) ; 18.36,18.59 v3(18.36,16.43) 19,15.8 19,14.91 19.63,14.28 20.4,14.28 20.9,13.77 ; 18.36,18.59 18.36,18.72 17.47,19.61 ; U1.T9 v6(47.88,26.22) ; U1.T9 v6(47.22,25.58) ; U1.T9 v6(47.22,26.22) ; U1.T9 v6(47.88,25.58) ; U1.R15 v4(46.57,30.12) 46.25,29.8 v4(45.93,30.12) U1.N15 v4(45.28,30.12) U1.M15 v4(44.62,30.12) U1.L15 43.97,30.12 43.65,29.8 ; U1.T13 v4(47.22,28.17) ; v6(44.62,26.22) U1.M10 ; v6(44.62,26.22) U1.L9 ; U1.M10 v6(44.62,26.88) ; U1.M10 v6(45.28,26.88) ; v4(43.32,28.17) U1.K13 ; U1.K13 v4(43.97,28.17) U1.K12 ; U1.K13 v4(43.97,28.83) ; U2.B3 v3(34.6,14.2) ; U2.T1 v3(23.4,15.8) ; C187.2 43,37.03 ; C187.2 43,36.48 42.8,36.28 42.8,34.5 43.44,33.86 43.81,33.86 v4(43.97,34.03) ; U1.T8 v6(47.22,25.58) ; U1.T8 v6(47.22,24.92) ; U1.T8 v6(47.88,25.58) ; v6(47.22,25.58) U1.R9 ; v6(47.22,25.58) U1.R8 ; U2.P9 v3(24.2,9.4) ; U1.R6 v4(47.22,24.28) ; U7.8 v3(11.51,48.18) ; v3(22.81,51.49) v3(23.83,51.49) v3(24.71,50.6) ; 39.43,23.62 39.75,23.95 v4(39.43,24.28) ; U2.T9 v3(22.6,9.4) ; v6(45.93,27.53) U1.N12 ; v6(45.93,27.53) U1.P11 ; v3(53.57,49.81) 53.46,49.7 51.26,49.7 50.31,48.75 v4(47.9,48.75) ; v3(32.2,10.2) U2.E8 ; U1.U2 48.85,20.7 ; U3.E2 v3(29.4,29.8) ; v2(28.52,40.06) 28.59,39.74 37.1,39.74 38.94,37.9 ; U2.M9 26.63,9.37 v3(26.69,9.37) ; v6(46.57,25.58) U1.R8 ; v6(46.57,25.58) U1.R9 ; v6(46.57,25.58) U1.P9 ; U1.R8 v6(47.22,24.92) ; U1.R8 v6(46.57,24.92) ; v6(45.93,26.88) U1.P11 ; v6(45.93,26.88) U1.P10 ; v6(45.93,26.88) U1.N10 ; U1.P11 v6(46.57,26.88) ; U1.P11 v6(46.57,27.53) ; U1.L11 v6(44.62,26.88) ; U1.L11 v6(44.62,27.53) ; v4(45.28,25.58) U1.N9 ; U1.K12 v4(43.32,27.53) ; 59,32.37 v4(58.93,32.29) ; v2(29.86,55.42) v2(29.86,53.14) ; U3.J2 v3(26.2,29) ; U1.L12 v4(44.62,28.17) ; U1.L12 v6(44.62,27.53) ; U1.R9 v6(47.22,26.22) ; U1.R9 v6(46.57,26.22) ; v6(47.22,26.22) U1.R10 ; U1.P10 v6(46.57,26.88) ; U1.P10 v6(46.57,26.22) ; U1.P10 v6(45.93,26.22) ; v6(46.57,26.88) U1.R10 ; v6(45.93,26.22) U1.N10 ; v6(45.93,26.22) U1.P9 ; v6(45.93,26.22) U1.N9 ; U1.N10 v6(45.28,26.88) ; v6(46.57,26.22) U1.P9 ; v6(46.57,26.22) U1.R10 ; v6(46.57,27.53) U1.R12 ; U1.R12 v4(47.22,28.17) ; U1.A1 v4(37.47,20.38) ; v6(44.62,26.88) U1.M11 ; U1.H4 v4(42.03,22.33) ; U1.P9 v4(45.93,25.58) ; v4(45.93,25.58) U1.N9 ; U2.E2 v3(32.2,15) ; v6(45.28,26.88) U1.M11 ; U1.M11 v6(44.62,27.53) ; v2(28.91,53.14) v2(27.95,53.14) ; U1.K9 v4(43.32,25.58) ; U1.K9 v6(43.97,26.22) ; U1.K9 v6(43.32,26.22) ; v4(43.32,25.58) U1.J9 ; v4(43.32,25.58) U1.K8 ; 42.03,26.88 42.35,26.55 ; v4(38.78,21.67) U1.C3 39.75,22.65 39.43,22.97 ; v3(31.8,29) U3.B3 ; U1.V8 v4(49.18,25.58) ; 34.44,6.23 34.44,7.14 34.7,7.4 34.94,7.16 34.94,6.23 ; 25.16,35.36 25.35,35.36 25.16,35.36 ; 25.16,35.36 22.94,35.36 21.79,34.21 19,34.21 17.73,32.94 17.73,22.15 16.97,21.39 16.97,20.12 17.47,19.61 ; v6(43.97,26.22) U1.L9 ; 31.8,17 U2.E1 v3(32.2,15.8) ; v2(48.97,16.18) 49.35,15.8 ; U3.G1 v3(28.2,30.8) ; U10.8 v3(11.51,54.03) ; U2.M1 v3(25.8,16.6) ; U7.3 v3(13.79,48.18) ; U2.F9 v3(31,9.32) ; U3.M9 v3(23.8,24.2) ; v4(39.43,24.28) U1.D7 ; v4(39.43,24.28) U1.C7 v4(38.78,24.92) ; U1.P7 v6(46.57,24.92) ; U1.P7 45.93,24.28 ; 8.55,52.52 7.43,52.52 7.19,52.76 ; U3.B1 v3(32.6,30.6) ; U3.D1 v3(31,30.6) ; v3(33,15.8) U2.D1 32.6,16.9 ; 38.44,6.23 38.44,8.47 v2(37.92,8.99) ; v4(44.62,22.97) U1.L4 v4(43.97,22.33) ; v6(47.22,24.92) 47.55,24.6 ; U3.G9 v3(28.2,23.2) ; U1.J9 v6(43.32,26.22) ; U8.3 v3(13.79,51.1) ; U3.J8 v3(26.2,25) ; U3.E8 v3(30.2,25) ; 83.51,54.41 v3(83.51,54.41) ; v3(30.18,9.32) 30.2,9.35 U2.G9 ; 52.84,33.96 52.84,34.26 v4(52.43,34.67) U1.AC23 ; 36.02,9.58 v3(35.84,9.4) ; 36.02,9.58 35.58,9.58 35.4,9.4 U2.A9 ; 47.55,24.6 v4(47.22,24.28) ; C185.2 48.21,37.13 ; 53.59,44.2 v2(53.8,43.99) ; U3.P9 v3(22.2,23.4) ; U3.T1 v3(21.4,30.6) ; v4(42.75,51.2) v4(41.73,51.2) 40.94,51.2 40.69,50.95 40.69,49.94 ; v3(34.6,15.8) U2.B1 34.2,16.9 ; U1.G6 v4(42.03,24.28) ; U2.P1 v3(24.2,16.6) ; U3.E1 v3(29.8,30.8) ; U2.J2 v3(28.2,15.8) ; U3.T9 v3(20.6,23.4) ; U2.G8 v3(30.6,10.2) ; U2.B9 34.6,9.4 ; U3.M1 v3(24.6,30.6) ; v3(23,30.6) U3.P1 ; U8.8 v3(11.51,51.1) ; U2.D8 v3(33,10.2) ; U3.B9 v3(32.6,23.4) ; U3.A9 v3(33.4,24.2) ; U3.G8 v3(28.6,25) ; 48.97,15.67 49.1,15.67 48.97,15.67